# Altium PCB Copy of GameBoard_V1I1_083018.PcbDoc (part 6 of 21)
Units mil, origin at the board's own origin, x right, y up, seen from the top; angles counter-clockwise.
Board outline 7165.35 x 2763.78 mil, 12 copper layers (L1, L2, L3, L4, L5 (PWR), L6 (PWR), L7 (PWR), L8 (PWR), L9, L10, L11, L12), stack 61.575 mil thick; 1542 components, 1068 nets, 5447 pads, 3797 vias.
Unrouted connection lines stored in the file: 105.
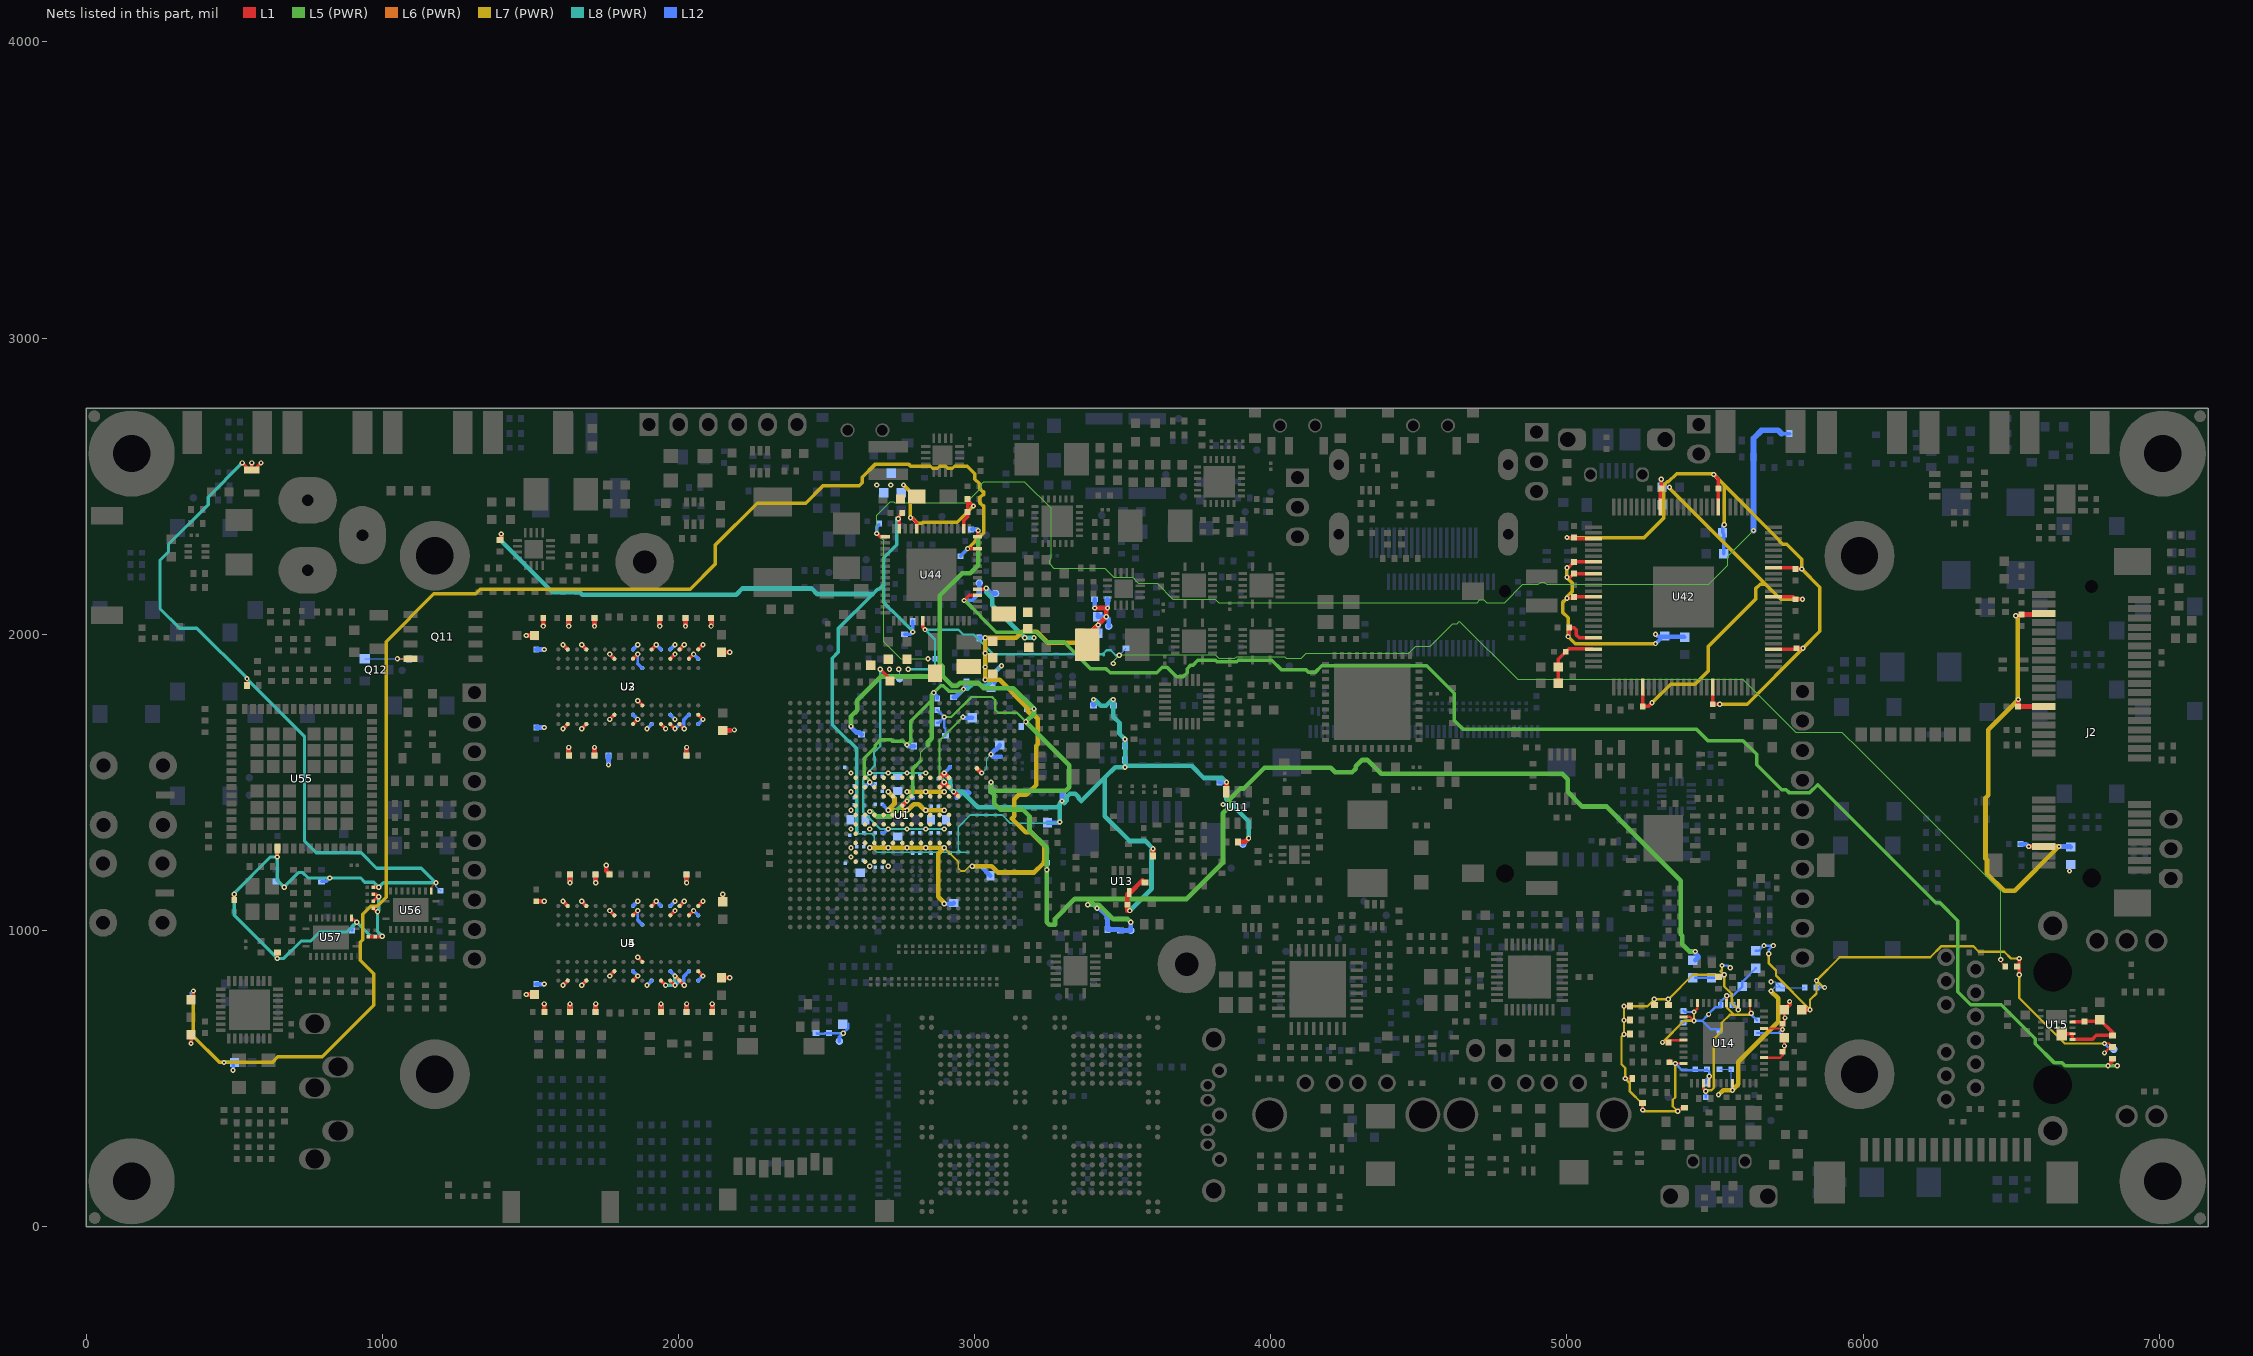
[diagram p16: the nets of this part, all layers, seen from the top]

## Part data (continued)
Y5: "CRYSTAL 12MHZ 12PF SMD", ESR (Equivalent Series Resistance)="100 Ohm", Frequency=12MHz, Frequency Stability=±30ppm, Load Capacitance=12pF, Manufacturer="TXC CORPORATION", Operating Mode=Fundamental, Operating Temperature="-40°C ~ 85°C", Package / Case="4-SMD, No Lead (DFN, LCC)", Ratings=-, Supplier Part Number 1=887-1775-1-ND, .Checked PCB=used, .Checked SCH=used, .Creator=MM, Category="Crystals and Oscillators", ComponentLink1Description=http://www.txccrystal.com/images/pdf/7m.pdf, ComponentLink1URL=http://www.txccrystal.com/images/pdf/7m.pdf, Frequency Tolerance=±30ppm, Height="0.031\" (0.80mm)", Manufacturer Part Number=7M-12.000MAHE-T, Mounting Type="Surface Mount", Packaging="Cut Tape (CT)", Pricing 1="1=0.96, 10=0.847, 50=0.791, 100=0.7, 500=0.6615, 1000=0.553 (USD)", RoHS="RoHS Compliant", Size / Dimension="0.126\" L x 0.098\" W (3.20mm x 2.50mm)", Stock 1=2813, Supplier 1=Digi-Key, Type="MHz Crystal"
Y6: "CRYSTAL 20MHZ 18PF SMD", Frequency Stability=±30ppm, Load Capacitance=18pF, Manufacturer="TXC CORPORATION", Operating Mode=Fundamental, Operating Temperature="-20°C ~ 70°C", Package / Case="4-SMD, No Lead", Ratings=-, Supplier Part Number 1=887-1129-1-ND, .Creator=MB, Category="Crystals, Oscillators, Resonators", ComponentLink1Description=http://www.txccorp.com/download/products/quartz_crystals/2015TXC_7M_17.pdf, ComponentLink1URL=http://www.txccorp.com/download/products/quartz_crystals/2015TXC_7M_17.pdf, Frequency Tolerance=±30ppm, Height - Seated (Max)="0.032\" (0.80mm)", Manufacturer Part Number=7M-20.000MAAJ-T, Mounting Type="Surface Mount", Packaging="Cut Tape (CT)", Part Status=Active, Pricing 1="1=1, 10=0.886, 50=0.8278, 100=0.7315, 500=0.693, 1000=0.5775 (USD)", RoHS="RoHS Compliant", Size / Dimension="0.126\" L x 0.098\" W (3.20mm x 2.50mm)", Stock 1=26185, Supplier 1=Digi-Key, Type="MHz Crystal"
Y7: "Oscillator, 32.768 kHz, 1.8 V, SMD", Frequency_Fixed="32.768 kHz", Frequency Stability=±50ppm, Manufacturer="TXC Corporation", ComponentLink1Description="Datasheet Link", ComponentLink1URL="https://sps06.itg.ti.com/sites/KMS/crossdivteams/altium/docs/ComponentDatasheets/7XZ3270026 TI.pdf", CompType=Oscillator, LatestRevisionDate=2017-06-23, MountType=SMT, PackageReference=3.2x2.5mm, PartNumber=7XZ3270026, Publisher="Texas Instruments", RoHS=Y, SizeArea_mm2=8, SizeAreaWB_mm2=14.7, SizeX_mm=2.5, SizeY_mm=3.2, SizeZ_mm=1.1, SymbolCreator=a0799628, SymbolVersion=2016-1-27, TaMax_C=105, TaMin_C=-40, U/M=EA

## Via types
v1: diameter 17.72, hole 7.87, L1 to L12, 1936 vias
v2: diameter 17.72, hole 7.87, L1 to L12, tented both sides, 999 vias
v3: diameter 10.63, hole 3.94, L1 to L2, 337 vias
v4: diameter 10.63, hole 3.94, L2 to L3, 335 vias
v5: diameter 10.63, hole 3.94, L10 to L11, 96 vias
v6: diameter 10.63, hole 3.94, L11 to L12, 94 vias

## Nets (pads, with @x,y where several pads share a name; then routed paths per layer and width w, separated by ;. In a path a pad name is that pad's centre, name@x,y a point inside that pad or via, vN(x,y) a via of type N, cw(c..) or ccw(c..) an arc to the next point about the centre after c; other vN are vias at no path point)
3V3_AVDD: C378.1 C379.1 C380.1 C381.1 C382.1 FB46.2 U42.82 U42.84 U42.88 U42.95 | length 1198.3
  L1 w11.81: v1(5000,2122.05) 5019.69,2122.05 C380.1@5023.62,2125.98 U42.88@5089.57,2125.98 ; v1(5000,2192.91) 5011.81,2192.91 C378.1@5023.62,2204.72 U42.84@5089.57,2204.72 ; v1(5000,2224.41) 5003.94,2224.41 C379.1@5023.62,2244.09 U42.82@5089.57,2244.09 ; v1(5003.94,1992.13) 5007.87,1996.06 C381.1@5007.87,2022.64 5024.61,2022.64 5032.09,2015.16 5032.09,1997.66 5041.56,1988.19 U42.95@5089.57,1988.19
  L7 (PWR) w11.81: v1(5000,2224.41) v1(5000,2192.91) 5000,2190.94 5018.7,2172.24 5018.7,2145.8 5000,2127.1 v1(5000,2122.05) 4985.24,2107.28 4985.24,2074.93 5003.94,2056.23 v1(5003.94,1992.13) 5027.56,1968.5 v1(5299.21,1968.5)
  L12 w11.81: v1(5299.21,1968.5) 5321.23,1990.52 FB46.2@5397.64,1990.52 5394.07,1994.09 C382.1@5330.71,1994.09 5305.12,1994.09 v1(5299.21,2000)
3V3_DVDD: C368.1 C369.1 C370.1 C371.1 FB44.2 U42.6 U42.38 U42.67 | length 1640.5
  L1 w11.81: U42.6@5255.91,1821.85 5255.91,1756.89 5275.59,1756.89 v2(5287.4,1768.7) ; U42.67@5314.96,2430.12 5314.96,2488.19 C368.1@5318.9,2492.13 v1(5318.9,2523.62) ; U42.38@5697.83,2125.98 5763.78,2125.98 C369.1@5771.65,2118.11 v1(5795.28,2118.11)
  L7 (PWR) w11.81: v2(5287.4,1768.7) 5350.39,1831.69 5432.42,1831.69 5476.38,1875.65 5476.38,1957.68 5636.81,2118.11 5636.81,2153.42 5652.69,2169.29 5670.4,2169.29 ; v1(5346.46,2496.06) 5346.46,2493.24 5670.4,2169.29 ; v1(5795.28,2118.11) 5721.58,2118.11 5670.4,2169.29
  L12 w11.81: v1(5318.9,2523.62) FB44.2@5318.9,2496.06 ; C371.1@5320.87,2437.01 5318.9,2438.98 FB44.2@5318.9,2496.06 ; FB44.2@5320.87,2496.06 FB44.2@5320.87,2494.09 ; v1(5346.46,2496.06) 5322.83,2496.06 FB44.2@5320.87,2494.09 ; FB44.2@5318.9,2496.06 FB44.2@5320.87,2494.09
3V3_OVDD: C372.1 C373.1 C374.1 C375.1 C376.1 C377.1 FB45.2 U42.18 U42.29 U42.43 U42.57 U42.78 | length 2494
  L1 w11.81: v1(5000,2326.77) C376.1@5023.62,2326.77 5027.56,2322.83 U42.78@5089.57,2322.83 ; U42.18@5492.13,1821.85 C375.1@5492.13,1763.78 v1(5515.75,1763.78) ; v1(5496.06,2539.37) 5511.81,2523.62 C373.1@5511.81,2492.13 U42.57@5511.81,2430.12 ; U42.29@5697.83,1948.82 C374.1@5766.73,1948.82 ; U42.43@5697.83,2224.41 5767.72,2224.41 C372.1@5771.65,2220.47 ; C372.1@5769.69,2220.47 C372.1@5771.65,2220.47 ; C374.1@5773.62,1952.76 C374.1@5775.59,1952.76 v2(5797.24,1952.76) ; v2(5793.31,2220.47) C372.1@5771.65,2220.47
  L7 (PWR) w11.81: v1(5000,2326.77) 5260.7,2326.77 5327.76,2393.83 5327.76,2503.81 5338.71,2514.76 5342.65,2514.76 5370.21,2542.32 5493.11,2542.32 v1(5496.06,2539.37) 5531.5,2503.94 ; v1(5515.75,1763.78) 5608.27,1763.78 v2(5797.24,1952.76) 5854.33,2009.84 5854.33,2159.45 v2(5793.31,2220.47) 5793.31,2252.82 5742,2304.13 5728.47,2304.13 5717.52,2315.09 5717.52,2317.91 5531.5,2503.94 ; v1(5531.5,2370.08) 5531.5,2503.94
  L12 w11.81: FB45.2@5529.53,2271.65 5529.53,2338.58 C377.1@5525.59,2342.52 5525.59,2364.17 v1(5531.5,2370.08)
3V3_PVDD: C383.1 C384.1 FB47.2 U42.97 | length 211
  L1 w11.81: FB47.2@4970.47,1834.65 C384.1@4970.47,1889.76 4970.47,1915.35 C383.1@4996.06,1940.94 5006.89,1951.77 U42.97@5085.63,1951.77
5V_IN_CTRL: Q11.4 Q12.2 R506.2 | length 193
  L1 w3.94: v1(1050.98,1917.13) Q11.4@1094.49,1917.13
  L12 w3.94: Q12.2@940.94,1917.32 1050.79,1917.32 v1(1050.98,1917.13) R506.2@1090.35,1917.13
+0V75_DDR_VTT: C450.1 C451.1 C452.1 L14.2 TP35.1 U44.19 | length 322.6
  L1 w11.81: U44.19@3009.84,2151.57 3035.43,2151.57 v2(3039.37,2155.51)
  L8 (PWR) w15.75: v2(3039.37,2155.51) 3039.37,2141.44 3060.04,2120.77 3060.04,2097.44 v2(3169.29,1988.19) v2(3200.79,1988.19)
  L12 w15.75: v2(3039.37,2155.51) 3057.09,2137.8 TP35.1@3070.87,2137.8
+1V1_NVCC_PLL_OUT: C164.1 C165.1 U1.E8 | length 180.4
  L1 w15.75: U1.E8@3007.87,1547.24 v2(3023.62,1531.5)
  L8 (PWR) w3.94: v2(3023.62,1531.5) 3040.35,1548.23 3040.35,1579.72 v1(3055.12,1594.49)
  L12 w15.75: v2(3023.62,1531.5) v2@3025.89,1531.5 ; C165.1@3084.65,1625.98 3084.65,1624.02 v1(3055.12,1594.49) 3062.99,1586.61 C164.1@3087.99,1586.61
+1V1_VDDSOC_CAP: C60.1 C72.1 C125.1 C126.1 C127.1 C128.1 C129.1 C130.1 C131.1 C151.1 FB1.1 R12.1 R22.1 R39.1 U1.N12 U1.R10 U1.T10 U1.T13 U1.T14 U1.U10 U1.U13 U1.U14 | length 1591.7
  L1 w15.75: U1.N12@2755.91,1421.26 v2(2771.65,1437.01)
  L5 (PWR) w3.94: 2817.91,1572.71 2817.91,1601.38 2842.52,1625.98
  L5 (PWR) w11.81: v2(2645.67,1500) 2645.67,1505.05 2626.97,1523.75 2626.97,1580.84 2664.37,1618.24 2664.37,1625 2684.06,1644.69 2716.41,1644.69 2722.31,1638.78 2758.86,1638.78 v2(2771.65,1625.98) 2784.45,1638.78 2784.45,1706.82 2855.32,1777.69 ; v2(2771.65,1437.01) 2771.65,1442.06 2790.35,1460.76 2790.35,1545.15 2817.91,1572.71 ; v1(2862.2,1803.15) 2885.83,1826.77 2894.69,1826.77 2913.39,1808.07 2955.71,1808.07 v2(2962.6,1814.96)
  L5 (PWR) w15.75: v1(2645.67,1401.57) 2651.87,1401.57 2668.6,1384.84 2717.22,1384.84 2769.39,1437.01 v2(2771.65,1437.01) ; 2842.52,1625.98 2842.52,1636.12 2855.32,1648.92 2855.32,1777.69 2855.32,1796.26 v1(2862.2,1803.15)
  L8 (PWR) w11.81: v2(2962.6,1814.96) 2977.49,1814.96 2996.19,1833.66 3011.68,1833.66 3017.59,1827.76 3043.18,1827.76 3054.13,1838.71 3054.13,1857.28 v1(3090.55,1893.7)
  L12 w11.81: C127.1@2625.98,1490.75 2636.42,1490.75 v2(2645.67,1500) 2654.92,1490.75 C130.1@2661.42,1490.75 ; v2(2771.65,1437.01) 2783.46,1448.82 C151.1@2792.72,1448.82 ; v1(2862.2,1803.15) 2874.02,1791.34 C72.1@2874.02,1783.46
  L12 w15.75: v2(2771.65,1625.98) 2775.59,1622.05 R22.1@2795.28,1622.05 ; R39.1@2929.13,1787.4 2935.04,1787.4 v2(2962.6,1814.96) 2972.44,1824.8 R12.1@2972.44,1838.58 ; 3066.93,1838.58 C60.1@3066.93,1866.93 3066.93,1870.08 v1(3090.55,1893.7)
  other v1: 2645.67,1342.52
+1V2_ETH: FB2.2 FB3.1 FB4.1 FB5.1 R117.2 R118.1 TP9.1 | length 1975.7
  L1 w7.87: v1(6814.96,586.61) 6834.65,606.3 R117.2@6842.52,606.3 6830.71,618.11 v1(6814.96,618.11)
  L1 w11.81: v1(6527.56,850.39) 6527.56,870.08 FB2.2@6519.69,877.95 6527.56,885.83 v1(6527.56,905.51)
  L1 w15.75: FB4.1@5793.31,732.28 v1(5820.87,732.28)
  L7 (PWR) w7.87: v1(5681.1,921.26) 5681.1,889.8 5705.71,865.2 5705.71,847.44 v1(5820.87,732.28) 5820.87,765.75 5842.52,787.4 v1(5842.52,830.71) ; v1(5870.08,807.09) 5866.14,807.09 v1(5842.52,830.71) ; v1(6814.96,618.11) 6681.1,618.11 6527.56,771.65 v1(6527.56,850.39) v1(6527.56,905.51) 6499.32,905.51 6476.69,928.15 6390.71,928.15 6371.69,947.17 6264.35,947.17 6226.64,909.45 5921.26,909.45 v1(5842.52,830.71)
  L12 w7.87: FB3.1@5637.8,931.1 5647.64,931.1 v1(5665.35,948.82) v1(5696.85,948.82) 5681.1,933.07 v1(5681.1,921.26) ; v1(5842.52,830.71) FB5.1@5842.52,807.09 v1(5870.08,807.09) ; v1(6814.96,618.11) 6834.65,598.43 TP9.1@6846.46,598.43
+1V2_ETH_AVDDL: C201.1 C202.1 C203.1 C204.1 FB4.2 U14.4 U14.9 | length 417
  L1 w7.87: U14.4@5664.96,570.47 5720.08,570.47 5728.35,578.74 C203.1@5728.35,590.55 5734.25,596.46 v1(5734.25,610.24) C201.1@5734.25,637.8 5727.95,644.09 v1(5727.95,665.35) v1@5727.95,668.9 ; U14.9@5664.96,668.9 v1@5727.95,668.9 ; FB4.2@5734.25,732.28 5734.25,690.94 C204.1@5728.35,685.04 5728.35,669.29 v1@5727.95,668.9
  L1 w15.75: FB4.2@5734.25,732.28 5751.97,750 v1(5751.97,759.84)
  L12 w7.87: C202.1@5641.73,653.54 5716.14,653.54 v1(5727.95,665.35)
  other v1: 5736.22,704.72
+1V2_ETH_AVDDL_PLL: C205.1 C206.1 C207.1 FB5.2 U14.44 | length 757.6
  L1 w9.84: v1(5559.06,460.63) U14.44@5559.06,484.25
  L7 (PWR) w15.75: v1(5511.81,444.88) 5527.56,460.63 v1(5559.06,460.63) 5578.74,480.32 5578.74,557.09 5713.58,691.93 5713.58,770.67 v1(5688.98,795.28)
  L12 w3.94: C206.1@5515.75,531.5 C207.1@5555.12,531.5 5555.12,464.57 v1(5559.06,460.63) ; v1(5688.98,795.28) 5702.76,809.06 C205.1@5720.47,809.06 ; v1(5688.98,826.77) 5702.76,826.77 C205.1@5720.47,809.06 ; FB5.2@5803.15,807.09 5722.44,807.09 C205.1@5720.47,809.06
+1V2_ETH_DVDDL: C193.1 C194.1 C195.1 C196.1 C197.1 C198.1 C199.1 C200.1 FB3.2 U14.14 U14.18 U14.23 U14.26 U14.30 U14.39 | length 1360.4
  L1 w7.87: v1(5322.83,622.05) 5330.71,622.05 5338.58,629.92 5338.98,629.53 U14.30@5394.09,629.53 ; U14.26@5394.09,708.27 5415.75,708.27 v1(5429.13,694.88) ; v1(5429.13,724.41) 5440.95,736.22 U14.23@5440.95,755.12 ; U14.39@5460.63,484.25 5460.63,464.57 v1@5464.57,460.63 ; U14.18@5539.37,755.12 v1@5539.37,775.59 ; U14.14@5618.11,755.12 5618.11,724.41 v1(5622.05,720.47)
  L7 (PWR) w7.87: v1(5322.83,622.05) 5395.67,694.88 v1(5429.13,694.88) v1(5429.13,724.41) ; v1@5464.57,460.63 5488.19,460.63 5496.06,468.5 5496.06,633.86 5522.64,660.43 5522.64,688.03 5550.16,715.55 5563.98,715.55 ; v1(5539.37,779.53) 5539.37,740.16 5563.98,715.55 ; v1(5622.05,720.47) 5617.13,715.55 5563.98,715.55
  L12 w7.87: C198.1@5393.7,728.35 5397.64,724.41 v1(5429.13,724.41) ; C199.1@5394.09,688.58 5400.39,694.88 v1(5429.13,694.88) 5456.69,694.88 ; C195.1@5468.5,437.01 v1(5468.5,456.69) ; C194.1@5523.62,661.42 5523.62,666.34 5485.24,666.34 5456.69,694.88 ; v1(5622.05,720.47) 5622.05,716.54 C196.1@5641.73,696.85 ; FB3.2@5637.8,872.05 5592.52,826.77 C193.1@5592.52,811.02 5561.02,779.53 v1(5539.37,779.53) 5519.69,759.84 C197.1@5519.69,748.03 5511.81,740.16 5500,740.16 5478.35,718.5 v1(5478.35,716.54) 5456.69,694.88
+1V2_PMIC: C419.1 R118.2 TP27.1 U44.18 | length 5063.7
  L1 w11.81: v2(2964.57,2114.17) 2982.28,2131.89 U44.18@3009.84,2131.89 ; v1(6826.77,543.31) 6842.52,559.06 R118.2@6842.52,566.93
  L5 (PWR) w11.81: v2(2964.57,2114.17) 2967.39,2114.17 3020.67,2060.9 3020.67,2059.18 3072.96,2006.89 3208.53,2006.89 3242,1973.43 3302.17,1973.43 3392.72,1882.87 3444.75,1882.87 3457.55,1870.08 3615.29,1870.08 3633.99,1888.78 3649.48,1888.78 3680.97,1857.28 3704.6,1857.28 3717.52,1870.21 3717.52,1883.73 3728.47,1894.68 3736.09,1894.68 3753.81,1912.4 3813.8,1912.4 3819.7,1906.5 3883.99,1906.5 3889.89,1912.4 4003.81,1912.4 4035.31,1880.91 4117.98,1880.91 4127.82,1871.06 4149.48,1871.06 4172.12,1893.7 4526.45,1893.7 4619.09,1801.05 4619.09,1708.79 4647.77,1680.12 5436.88,1680.12 5476.25,1640.75 5594.36,1640.75 5640.75,1594.36 5640.75,1560.04 5725.39,1475.39 5740.03,1475.39 5749.68,1465.75 5820.27,1465.75 5846.65,1492.13 6245.27,1093.5 6259.71,1093.5 6319.88,1033.34 6319.88,793.1 6363.85,749.13 6466.29,749.13 6581.69,633.73 6581.69,617.13 6644.72,554.09 6671.02,554.09 6681.81,543.31 v1(6826.77,543.31) v1(6858.27,543.31)
  L12 w11.81: v2(2964.57,2114.17) 2992.13,2114.17 C419.1@3015.75,2137.8
  L12 w15.75: C419.1@3015.75,2137.8 TP27.1@3015.75,2173.23
+1V2_REG: C191.1 C192.1 R117.1 U15.7 U15.8 U15.10 U15.15 | length 363.5
  L1 w11.81: U15.15@6671.26,652.36 6672.05,651.57 U15.8@6707.09,651.57 U15.7@6707.09,631.89 6773.62,631.89 6787.4,645.67 R117.1@6842.52,645.67 6842.52,655.51 C191.1@6799.21,698.82 6793.31,692.91 C192.1@6748.03,692.91 6746.06,690.94 U15.10@6707.09,690.94
+1V2_VDD_ARM_CAP: C110.1 C111.1 C112.1 C113.1 C114.1 C120.1 C121.1 C122.1 C123.1 C124.1 U1.H11 U1.H13 U1.J11 U1.J13 U1.K11 U1.K13 U1.L11 U1.L13 U1.M11 U1.M13 U1.N11 U1.N13 U1.P11 U1.P13 U1.R11 U1.R13 | length 465.1
  L7 (PWR) w15.75: v2(2708.66,1468.5) 2729.33,1447.83 2729.33,1428.45 2708.66,1407.78 v2(2708.66,1405.51) v2(2771.65,1405.51) 2773.92,1405.51 2794.59,1426.18 2811.71,1426.18 2832.38,1405.51 v2(2834.65,1405.51) v2(2897.64,1405.51) ; v2(2771.65,1468.5) v2(2834.65,1468.5) v2(2897.64,1468.5)
  L12 w11.81: C112.1@2692.91,1422.64 2692.91,1421.26 v2(2708.66,1405.51) ; v2(2771.65,1405.51) 2791.34,1425.2 C113.1@2792.72,1425.2
+1V5_DDR: C10.1 C11.1 C12.1 C13.1 C14.1 C15.1 C16.1 C17.1 C19.1 C20.1 C21.1 C22.1 C23.1 C24.1 C25.1 C26.1 C27.1 C28.1 C29.1 C30.1 C31.1 C32.1 C33.1 C34.1 C35.1 C36.1 C37.1 C38.1 C39.1 C40.1 C41.1 C42.1 C43.1 C44.1 C45.1 C46.1 C47.1 C48.1 C49.1 C50.1 C51.1 C52.1 C53.1 C54.1 C55.1 C56.1 C57.1 C58.1 C171.1 C172.1 C173.1 C174.1 C175.1 C176.1 C180.1 C181.1 C182.1 C183.1 C184.1 C185.1 C186.1 C425.1 C426.1 C443.1 C444.1 C445.1 C446.1 FB9.2 FB17.1 L12.2 R8.2 R90.2 TP33.1 U1.R18 U1.T18 U1.U18 U1.V9 U1.V10 U1.V11 U1.V12 U1.V13 U1.V14 U1.V15 U1.V16 U1.V17 U1.V18 U2.A1 U2.A8 U2.B2 U2.C1 U2.C9 U2.D2 U2.D9 U2.E9 U2.F1 U2.G7 U2.H2 U2.H9 U2.K2 U2.K8 U2.N1 U2.N9 U2.R1 U2.R9 U3.A1 U3.A8 U3.B2 U3.C1 U3.C9 U3.D2 U3.D9 U3.E9 U3.F1 U3.G7 U3.H2 U3.H9 U3.K2 U3.K8 U3.N1 U3.N9 U3.R1 U3.R9 U4.A1 U4.A8 U4.B2 U4.C1 U4.C9 U4.D2 U4.D9 U4.E9 U4.F1 U4.G7 U4.H2 U4.H9 U4.K2 U4.K8 U4.N1 U4.N9 U4.R1 U4.R9 U5.A1 U5.A8 U5.B2 U5.C1 U5.C9 U5.D2 U5.D9 U5.E9 U5.F1 U5.G7 U5.H2 U5.H9 U5.K2 U5.K8 U5.N1 U5.N9 U5.R1 U5.R9 U44.30 U44.38 | length 3879.3
  L1 w11.81: v1(354.33,618.11) FB17.1@354.33,645.67 ; v2(1610.24,814.96) U4.R9@1625.98,830.71 ; v2(1610.24,1098.43) U4.R1@1625.98,1082.68 ; v2(1610.24,1681.1) U2.R9@1625.98,1696.85 ; v2(1610.24,1964.57) U2.R1@1625.98,1948.82 ; v2(1673.23,814.96) U4.N9@1688.98,830.71 ; v2(1673.23,1098.43) U4.N1@1688.98,1082.68 ; v2(1673.23,1681.1) U2.N9@1688.98,1696.85 ; v2(1673.23,1964.57) U2.N1@1688.98,1948.82 ; v2(1767.72,846.46) U4.K8@1783.46,862.2 ; v2(1767.72,1066.93) U4.K2@1783.46,1051.18 ; v2(1767.72,1712.6) U2.K8@1783.46,1728.35 ; v2(1767.72,1933.07) U2.K2@1783.46,1917.32 ; U4.H9@1846.46,830.71 v2(1862.2,846.46) ; U4.H2@1846.46,1051.18 v2(1862.2,1066.93) ; U2.H9@1846.46,1696.85 v2(1862.2,1712.6) ; U2.H2@1846.46,1917.32 v2(1862.2,1933.07) ; v2(1862.2,909.45) U4.G7@1877.95,893.7 ; v2(1862.2,1775.59) U2.G7@1877.95,1759.84 ; U4.F1@1909.45,1082.68 v2(1925.2,1098.43) ; U2.F1@1909.45,1948.82 v2(1925.2,1964.57) ; U4.E9@1940.94,830.71 v2(1956.69,814.96) ; U2.E9@1940.94,1696.85 v2(1956.69,1681.1) ; U4.D9@1972.44,830.71 v2(1988.19,814.96) ; U4.D2@1972.44,1051.18 v2(1988.19,1066.93) ; U2.D9@1972.44,1696.85 v2(1988.19,1681.1) ; U2.D2@1972.44,1917.32 v2(1988.19,1933.07) ; U4.C9@2003.94,830.71 v2(2019.68,814.96) ; U4.C1@2003.94,1082.68 v2(2019.68,1098.43) ; U2.C9@2003.94,1696.85 v2(2019.68,1681.1) ; U2.C1@2003.94,1948.82 v2(2019.68,1964.57) ; U4.B2@2035.43,1051.18 v2(2051.18,1066.93) ; U2.B2@2035.43,1917.32 v2(2051.18,1933.07) ; U4.A8@2066.93,862.2 v2(2082.68,846.46) ; U4.A1@2066.93,1082.68 v2(2082.68,1098.43) ; U2.A8@2066.93,1728.35 v2(2082.68,1712.6) ; U2.A1@2066.93,1948.82 v2(2082.68,1964.57) ; v2(2783.46,2393.7) 2788.51,2393.7 2805.12,2377.1 U44.38@2805.12,2356.3 ; U44.30@2962.6,2356.3 2962.6,2383.86 2976.38,2397.64 C425.1@2976.38,2456.69 2976.38,2452.76 v1(2996.06,2433.07)
  L1 w15.75: v2(1486.22,783.46) C15.1@1513.78,783.46 ; v2(1486.22,1996.06) C12.1@1513.78,1996.06 ; C39.1@1519.69,1098.43 v2(1547.24,1098.43) ; v2(1543.31,2027.56) C32.1@1543.31,2055.12 ; C22.1@1547.24,724.41 v2(1547.24,751.97) ; C30.1@1629.92,1590.55 v2(1629.92,1618.11) ; v2(1629.92,2027.56) C33.1@1629.92,2055.12 ; C27.1@1633.86,724.41 v2(1633.86,751.97) ; v2(1633.86,1161.42) C26.1@1633.86,1188.98 ; C31.1@1716.54,1590.55 v2(1716.54,1618.11) ; v2(1716.54,2027.56) C34.1@1716.54,2055.12 ; C28.1@1720.47,724.41 v2(1720.47,751.97) ; v2(1720.47,1161.42) C19.1@1720.47,1188.98 ; v2(1755.91,1220.47) 1755.91,1200.79 C20.1@1767.72,1188.98 ; v2(1937.01,2027.56) C38.1@1937.01,2055.12 ; C25.1@1940.95,724.41 v2(1940.95,751.97) ; v2(2023.62,2027.56) C37.1@2023.62,2055.12 ; C24.1@2027.56,724.41 v2(2027.56,751.97) ; v2(2027.56,1161.42) C21.1@2027.56,1188.98 ; C29.1@2027.56,1590.55 v2(2027.56,1618.11) ; v2(2110.24,2027.56) C36.1@2110.24,2055.12 ; C23.1@2114.17,724.41 v2(2114.17,751.97) ; C16.1@2145.67,840.55 v2(2173.23,840.55) ; C13.1@2145.67,1938.98 v2(2173.23,1938.98) ; C17.1@2149.61,1096.46 v2(2149.61,1122.05) ; C14.1@2149.61,1675.2 2177.17,1675.2
  L6 (PWR) w11.81: v2(1988.19,846.46) v2(2019.68,814.96)
  L7 (PWR) w11.81: v1(2759.84,2503.94) 2783.46,2480.31 v2(2783.46,2393.7) 2788.51,2393.7 2807.21,2375 2822.71,2375 2825.66,2377.95 2940.94,2377.95 v1(2996.06,2433.07)
  L8 (PWR) w11.81: v2(1956.69,814.96) v2(1988.19,814.96) v2(1988.19,846.46)
  L12 w7.87: 1862.2,1035.43 v2(1862.2,1066.93) ; v2(1862.2,1933.07) 1862.2,1901.57 1863.19,1900.59 ; R8.2@2467.52,652.56 2468.5,651.57 2492.13,651.57 2493.11,652.56 v2(2556.1,652.56) 2573.82,670.28 2573.82,686.02
  L12 w11.81: v2(1610.24,814.96) U5.R1@1625.98,830.71 ; v2(1610.24,1098.43) U5.R9@1625.98,1082.68 ; v2(1610.24,1681.1) U3.R1@1625.98,1696.85 ; v2(1610.24,1964.57) U3.R9@1625.98,1948.82 ; v2(1673.23,814.96) U5.N1@1688.98,830.71 ; v2(1673.23,1098.43) U5.N9@1688.98,1082.68 ; v2(1673.23,1681.1) U3.N1@1688.98,1696.85 ; v2(1673.23,1964.57) U3.N9@1688.98,1948.82 ; v2(1767.72,846.46) U5.K2@1783.46,862.2 ; v2(1767.72,1066.93) U5.K8@1783.46,1051.18 ; v2@1767.72,1712.6 U3.K2@1783.46,1728.35 ; v2(1767.72,1933.07) U3.K8@1783.46,1917.32 ; U5.H2@1846.46,862.2 v2(1862.2,846.46) ; U5.H9@1846.46,1082.68 v2(1862.2,1098.43) ; U3.H2@1846.46,1728.35 v2(1862.2,1712.6) ; U3.H9@1846.46,1948.82 v2(1862.2,1964.57) ; 1862.2,1035.43 U5.G7@1877.95,1019.69 ; 1863.19,1900.59 U3.G7@1877.95,1885.83 ; v2(1893.7,814.96) U5.F1@1909.45,830.71 ; v2(1893.7,1681.1) U3.F1@1909.45,1696.85 ; v2(1925.2,1098.43) U5.E9@1940.94,1082.68 ; v2(1925.2,1964.57) U3.E9@1940.94,1948.82 ; U5.D2@1972.44,862.2 v2(1988.19,846.46) ; U5.D9@1972.44,1082.68 v2(1988.19,1098.43) ; U3.D2@1972.44,1728.35 v2(1988.19,1712.6) ; U3.D9@1972.44,1948.82 v2(1988.19,1964.57) ; v2(1988.19,814.96) U5.C1@2003.94,830.71 ; v2(1988.19,1681.1) U3.C1@2003.94,1696.85 ; U5.C9@2003.94,1082.68 v2(2019.68,1098.43) ; U3.C9@2003.94,1948.82 v2(2019.68,1964.57) ; v2@2018.7,815.94 2018.7,845.47 U5.B2@2035.43,862.2 ; v2@2018.7,1682.09 2018.7,1711.61 U3.B2@2035.43,1728.35 ; v2(2051.18,1066.93) U5.A8@2066.93,1051.18 ; v2(2051.18,1933.07) U3.A8@2066.93,1917.32 ; U5.A1@2066.93,830.71 v2(2082.68,846.46) ; U3.A1@2066.93,1696.85 v2(2082.68,1712.6) ; TP33.1@2543.31,625.98 2543.31,639.76 v2(2556.1,652.56) ; v1(3838.58,1425.2) R90.2@3866.14,1425.2
  L12 w15.75: C40.1@1519.69,818.9 v2(1547.24,818.9) ; C49.1@1519.69,1685.04 v2(1547.24,1685.04) ; C35.1@1519.69,1948.82 v2(1547.24,1948.82) ; C58.1@1629.92,1590.55 v2(1629.92,1618.11) ; v2(1629.92,2027.56) C50.1@1629.92,2055.12 ; C48.1@1633.86,724.41 v2(1633.86,751.97) ; v2(1633.86,1161.42) C41.1@1633.86,1188.98 ; C57.1@1716.54,1590.55 v2(1716.54,1618.11) ; v2(1716.54,2027.56) C51.1@1716.54,2055.12 ; C47.1@1720.47,724.41 v2(1720.47,751.97) ; v2(1720.47,1161.42) C42.1@1720.47,1188.98 ; v2@1763.78,1562.99 C55.1@1763.78,1590.55 ; v2(1937.01,2027.56) C52.1@1937.01,2055.12 ; C46.1@1940.95,724.41 v2(1940.95,751.97) ; v2(2023.62,2027.56) C53.1@2023.62,2055.12 ; C45.1@2027.56,724.41 v2(2027.56,751.97) ; v2(2027.56,1161.42) C43.1@2027.56,1188.98 ; C56.1@2027.56,1590.55 v2(2027.56,1618.11) ; v2(2110.24,2027.56) C54.1@2110.24,2055.12 ; C44.1@2114.17,724.41 v2(2114.17,751.97)
  other v1: 6696.85,1200.79 2669.29,2503.94 2716.54,2503.94
  other v2: 2645.67,1216.53 2708.66,1216.54 2582.68,1248.03 2582.68,1279.53 2582.68,1342.52 2582.68,1405.51 2582.68,1468.5 2582.68,1531.5 1763.78,1559.06 2188.98,1677.17
+1V5_MPCIE: C226.1 C227.1 C228.1 C229.1 FB9.1 J2.6 J2.28 J2.48 | length 1707.3
  L1 w15.75: v1(6515.75,2062.99) 6531.5,2062.99 C228.1@6535.43,2066.93 6606.3,2066.93 J2.48@6610.24,2070.87 ; v1(6523.62,1779.53) C227.1@6523.62,1755.91 J2.28@6610.24,1755.91 ; v1(6559.06,1283.46) J2.6@6610.24,1283.46
  L7 (PWR) w15.75: v1(6515.75,2062.99) 6522.64,2056.1 6522.64,1780.51 v1(6523.62,1779.53) 6422.24,1678.15 6422.24,1456.01 6413.39,1447.15 6413.39,1242.81 6418.31,1237.89 6418.31,1191.93 6476.38,1133.86 6511.81,1133.86 v1(6661.42,1283.46) v1(6559.06,1283.46)
  L12 w15.75: C226.1@6531.5,1291.34 6551.18,1291.34 v1(6559.06,1283.46) ; C229.1@6637.8,1283.46 6698.82,1283.46 FB9.1@6700.79,1281.5
+1V8_AUDIO: C421.1 FB16.2 FB18.2 TP28.1 U44.26 | length 4990.7
  L1 w11.81: FB18.2@355.32,765.75 FB18.2@354.33,765.75 350.39,769.69 362.2,781.5 v1(362.2,795.28) ; v2(2976.38,2289.37) U44.26@3009.84,2289.37
  L7 (PWR) w11.81: v1(362.2,795.28) 362.2,642.84 450.76,554.29 v1(465.47,554.29) 628,554.29 646.7,572.99 797.4,572.99 971.46,747.05 971.46,854.2 926.18,899.48 926.18,960.5 934.06,968.38 934.06,1054.99 960.76,1081.69 982.16,1081.69 1012.8,1112.33 1012.8,1975.39 1174.21,2136.81 1315.09,2136.81 1330.84,2152.56 2039.74,2152.56 2125,2237.82 2125,2302.17 2265.75,2442.91 2429.99,2442.91 2488.06,2500.98 2610.11,2500.98 2621.06,2511.94 2621.06,2530.51 2665.35,2574.8 2776.7,2574.8 2783.59,2567.91 2850.52,2567.91 2858.4,2560.04 2873.89,2560.04 2881.76,2567.91 2901.7,2567.91 2909.58,2560.04 2925.07,2560.04 2932.94,2567.91 2975.39,2567.91 3000.98,2542.32 3000.98,2523.75 3016.86,2507.87 3016.73,2507.75 3016.73,2492.25 3027.69,2481.3 3030.51,2481.3 3030.51,2471.46 3027.69,2471.46 3016.73,2460.5 3016.73,2445.01 3027.69,2434.06 3030.51,2434.06 3030.51,2342.65 3019.56,2331.69 3018.7,2331.69 v2(2976.38,2289.37)
  L12 w11.81: TP28.1@354.33,767.72 354.33,787.4 v1(362.2,795.28) ; v1(465.47,554.29) FB16.2@500.91,554.29 496.06,549.45 v1(496.06,527.56) ; C421.1@2952.76,2263.78 2952.76,2265.75 v2(2976.38,2289.37)
+1V8_WIFI: C527.2 C530.1 C532.1 FB52.2 R43.2 R507.2 R524.2 R539.2 R541.2 R542.2 R543.2 R545.2 R555.2 R556.2 R558.2 U55.38 U56.2 U57.2 | length 4382.9
  L1 w3.94: R524.2@543.31,1826.77 v1(543.31,1850.39) ; U56.2@1165.35,1133.86 1165.35,1145.67 v1(1181.1,1161.42)
  L1 w7.87: U57.2@895.67,1041.34 899.61,1041.34 v1(913.39,1027.56)
  L1 w11.02: FB52.2@500,1102.36 v1(500,1122.05) ; v1(527.56,2578.74) 551.18,2555.12 R507.2@559.06,2555.12 ; v1(559.06,2578.74) R507.2@559.06,2555.12 ; v1(590.55,2578.74) 566.93,2555.12 R507.2@559.06,2555.12 ; v1(645.67,905.51) R558.2@645.67,925.2 ; v1(645.67,1248.03) U55.38@645.67,1263.39 ; U55.38@645.67,1276.57 U55.38@650.59,1271.65 ; R43.2@952.76,979.13 R539.2@976.38,979.13 998.82,979.13 v1(1000,980.31) ; R541.2@969.69,1074.8 981.5,1062.99 v1(984.25,1062.99) ; R542.2@969.69,1098.43 985.43,1114.17 977.56,1122.05 R543.2@969.69,1122.05 ; R545.2@969.69,1145.67 v1(988.19,1145.67)
  L8 (PWR) w11.02: v1(527.56,2578.74) 412.01,2463.19 412.01,2437.3 278.15,2303.44 278.15,2279.33 249.41,2250.59 249.41,2086.91 315.92,2020.39 374.3,2020.39 543.31,1851.38 v1(543.31,1850.39) 543.31,1848.13 737.6,1653.83 737.6,1301.47 776.67,1262.4 928.45,1262.4 980.52,1210.33 1132.19,1210.33 v1(1181.1,1161.42) 1003.94,1161.42 v1(988.19,1145.67) 971.06,1162.8 941.24,1162.8 926.87,1177.17 v1(822.83,1177.17) 750.3,1177.17 731.99,1195.47 716.83,1195.47 669.29,1147.94 v1(669.29,1145.67) 645.67,1169.29 v1(645.67,1248.03) 622.05,1248.03 500,1125.98 v1(500,1122.05) 500,1051.18 v1(645.67,905.51) 667.02,905.51 725.49,963.98 757.58,963.98 788.29,994.69 880.51,994.69 v1(913.39,1027.56) 960.63,980.31 v1(1000,980.31) 984.25,996.06 v1(984.25,1062.99) 988.19,1066.93 v1(988.19,1114.17)
  L12 w3.94: v1(1181.1,1161.42) 1181.1,1149.61 C530.1@1196.85,1133.86
  L12 w11.02: v1(645.67,1248.03) C527.2@645.67,1279.53 ; R555.2@649.61,1165.35 v1(669.29,1145.67) ; R556.2@795.28,1165.35 811.02,1165.35 v1(822.83,1177.17) ; C532.1@897.64,1000 897.64,1011.81 v1(913.39,1027.56)
+1V375_CORE: C103.1 C104.1 C105.1 C106.1 C107.1 C108.1 C109.1 C115.1 C116.1 C117.1 C118.1 C119.1 C439.1 C440.1 C441.1 C442.1 FB2.1 L11.2 R299.2 TP32.1 U1.H14 U1.J14 U1.K9 U1.K14 U1.L9 U1.L14 U1.M9 U1.M14 U1.N9 U1.N14 U1.P9 U1.P14 U1.R9 U1.R14 U1.T9 U1.U9 U44.6 | length 5860.1
  L1 w3.94: v1(6464.57,901.57) 6464.57,893.7 FB2.1@6480.31,877.95
  L1 w11.81: v2(2681.1,1881.89) 2714.57,1848.42 C442.1@2714.57,1842.52 ; U44.6@2824.8,2045.28 2824.8,2023.62 v2(2832.68,2015.75)
  L5 (PWR) w3.94: v1(3468.5,1901.57) 3468.5,1909.45 v1(3488.19,1929.13) 3490.16,1931.1 3733.06,1931.1 3734.04,1930.12 3812.78,1930.12 3824.59,1918.31 3879.09,1918.31 3885,1924.21 4047.03,1924.21 4052.94,1918.31 4102.15,1918.31 4119.87,1936.02 4466.33,1936.02 4489.95,1959.65 4538.39,1959.65 4614.38,2035.64 4628.94,2035.64 4637.2,2043.9 4833.66,1847.44 5594.15,1847.44 5771.91,1669.69 5928.73,1669.69 5987.19,1611.22 ; 5987.2,1611.22 6464.57,1133.86 v1(6464.57,901.57)
  L8 (PWR) w3.94: v1(3468.5,1901.57) 3468.5,1909.45 v1(3488.19,1929.13)
  L8 (PWR) w7.87: v2(2681.1,1881.89) 2681.1,1850.35 2681.1,1622.09 2660.43,1601.42 2660.43,1586.66 2662.4,1584.69 2662.4,1556.06 2645.67,1539.33 v2(2645.67,1531.5) ; v2(2775.59,1881.89) 2851.38,1881.89 2866.14,1896.65 2866.14,1982.28 v2(2832.68,2015.75) 2944.84,2015.75 2961.57,1999.02 2997.05,1999.02 3063.98,1932.09 3433.07,1932.09 3436.02,1929.13 3436.02,1936.06 3445.83,1945.87 3459.69,1945.87 3476.42,1929.13 v1(3488.19,1929.13) ; v2(2834.65,1531.5) v2(2771.65,1531.5) v2(2708.66,1531.5) v2(2645.67,1531.5) ; v2(2897.64,1342.52) v2(2834.65,1342.52) v2(2771.65,1342.52) v2(2708.66,1342.52) 2681.1,1342.52 2624.02,1399.61 2624.02,1509.84 v2(2645.67,1531.5)
  L12 w3.94: v2(2744.09,1881.89) 2746.68,1879.31 TP32.1@2746.68,1850.39 ; v1(3488.19,1929.13) R299.2@3511.81,1952.76
  L12 w11.81: C103.1@2688.98,1329.33 2695.47,1329.33 v2(2708.66,1342.52)
  other v2: 2712.6,1881.89
+1V375_SOC: C132.1 C133.1 C134.1 C135.1 C136.1 C137.1 C138.1 C139.1 C140.1 C141.1 C142.1 C339.1 C340.1 C341.2 C447.1 C448.1 C449.1 L6.2 L13.1 R296.2 R431.1 TP34.1 U1.H16 U1.J16 U1.K16 U1.L16 U1.M16 U1.N16 U1.P16 U1.R16 U1.T16 U1.U16 | length 2756.9
  L1 w15.75: L6.2@3356.79,1964.57 3356.79,1970.96 v2(3417.32,2031.5) v2(3444.88,2059.06) 3444.88,2084.65 v2(3448.82,2088.58) v2(3405.51,2088.58)
  L7 (PWR) w5.91: v2(2897.64,1279.53) 2944.88,1232.28 2944.88,1210.01 2954.11,1200.79 2967.15,1200.79 2982.9,1216.54 v2(2992.13,1216.54)
  L7 (PWR) w15.75: v2(2645.67,1279.53) v2(2708.66,1279.53) v2(2771.65,1279.53) v2(2834.65,1279.53) v2(2897.64,1279.53) 2876.97,1258.86 2876.97,1113.49 2897.64,1092.82 v2(2897.64,1090.55) ; v2(2992.13,1216.54) 3057.38,1216.54 3078.05,1195.87 3201.48,1195.87 3233.27,1227.66 3233.27,1233.77 3235.09,1235.59 3235.09,1286.27 3189.66,1331.69 3172.24,1331.69 3125.98,1377.95 3133.86,1385.83 3133.86,1442.62 3148.92,1457.68 3174.21,1457.68 3207.68,1491.14 3207.68,1623.33 3213.58,1629.23 3213.58,1714.57 3200.79,1727.36 3192.23,1727.36 3180.12,1739.47 3180.12,1750.69 3084.35,1846.46 v2(3035.43,1846.46) v2(3035.43,1889.76) v2(3035.43,1988.19) 3140.06,1988.19 3160.73,2008.86 3209.35,2008.86 3246.75,1971.46 3357.28,1971.46 v2(3417.32,2031.5)
  L12 w15.75: v2(2897.64,1090.55) 2927.17,1090.55 C141.1@2929.13,1092.52 ; v2(2992.13,1216.54) 3021.65,1216.54 C142.1@3053.15,1185.04 ; R431.1@3015.75,1988.19 v2(3035.43,1988.19) ; v2(3405.51,2088.58) R296.2@3405.51,2118.11 ; C339.1@3415.35,2003.94 3417.32,2005.91 v2(3417.32,2031.5) ; C340.1@3415.35,2059.06 v2(3444.88,2059.06) 3452.76,2051.18 TP34.1@3452.76,2027.56 ; v2(3448.82,2088.58) C341.2@3448.82,2118.11
  other v2: 3035.43,1936.02
+2V5: C63.1 C75.1 C92.1 C169.1 C422.1 FB6.1 R13.1 R27.1 R32.1 R40.1 R114.2 R115.2 R116.2 TP29.1 U44.28 | length 6655.9
  L1 w11.81: U44.28@3009.84,2328.74 3009.84,2348.42 v2(3011.81,2350.39)
  L5 (PWR) w7.87: v1(2897.64,1720.47) 2921.3,1720.47 2989.21,1788.39 3059.03,1788.39 3069.88,1777.53 3069.88,1745.04 3079.68,1735.24 3142.72,1735.24 v1(3173.23,1704.72)
  L5 (PWR) w15.75: v1(2582.68,1688.98) 2582.68,1722.74 2603.35,1743.41 2603.35,1776.57 2684.4,1857.63 2892.67,1857.63 ; v2(3011.81,2350.39) 3011.81,2232.58 2984.94,2205.71 2957.68,2205.71 2882.87,2130.91 2882.87,1900.93 2892.67,1891.14 2892.67,1857.63 ; v2(3055.12,1500) 3055.12,1468.5 ; v1(3381.89,1086.61) 3401.57,1086.61 ; v1(3527.56,1027.56) 3516.73,1038.39 3467.82,1038.39 3419.59,1086.61 3401.57,1086.61 ; v1(5433.07,929.13) 5413.39,929.13 5389.76,952.76 5389.76,981.6 5384.84,986.52 5384.84,1168.01 5134.55,1418.31 5052.46,1418.31 5002.95,1467.82 5002.95,1510.53 4984.94,1528.54 4372.73,1528.54 4325.49,1575.79 4308.37,1575.79 4286.42,1553.84 4286.42,1546.56 4274.31,1534.45 4217.1,1534.45 4202.55,1549 3978.82,1549 3909.15,1479.33 3896.65,1479.33 3859.25,1441.93 3859.25,1416.64 3838.54,1395.93 3838.54,1228.31 3716.54,1106.3 3381.89,1106.3 ; 2892.67,1857.63 2924.51,1825.79 2941.63,1825.79 2951.47,1835.63 3012.5,1835.63 3030.22,1817.91 3130.91,1817.91 v1(3200.79,1748.03) 3200.79,1732.28 v1(3173.23,1704.72) 3319.88,1558.07 3319.88,1483.56 3307.77,1471.46 3058.07,1471.46 3055.12,1468.5 ; 3055.12,1468.5 3065.95,1457.68 3065.95,1428.45 3086.07,1408.32 3162.55,1408.32 3185.38,1385.49 3185.38,1338.92 3244.09,1280.2 v1(3244.09,1204.72) 3244.09,1027.56 3251.97,1019.68 3271.65,1019.68 3271.65,1039.37 3338.58,1106.3 3381.89,1106.3 ; 3381.89,1106.3 3401.57,1086.61
  L12 w7.87: R27.1@2874.02,1700.79 2877.95,1700.79 v1(2897.64,1720.47) ; C75.1@2874.02,1744.09 v1(2897.64,1720.47) ; R114.2@2901.57,1657.48 2901.57,1681.66 2897.64,1685.6 v1(2897.64,1720.47) ; C63.1@3177.17,1748.03 v1(3200.79,1748.03) ; v1(3244.09,1204.72) C92.1@3244.09,1228.35
  L12 w15.75: v1(2582.68,1688.98) 2582.68,1686.71 2601.08,1668.31 2611.22,1668.31 R32.1@2618.11,1661.42 ; C422.1@2992.13,2354.33 3007.87,2354.33 v2(3011.81,2350.39) ; R40.1@3055.12,1472.44 v2(3055.12,1500) ; v1(3381.89,1086.61) 3401.57,1086.61 v1(3413.39,1074.8) 3421.26,1074.8 C169.1@3448.82,1047.24 R115.2@3448.82,1002.95 3489.17,1002.95 R116.2@3492.13,1000 TP29.1@3527.56,1000 v1(3527.56,1027.56) ; FB6.1@5433.07,899.61 5444.88,911.42 5433.07,923.23 v1(5433.07,929.13)
+2V5_ETH_DVDDH: C208.1 C209.1 C210.1 C211.1 C212.1 FB6.2 R128.2 R129.2 R130.2 R131.2 R132.2 R133.2 R134.2 R135.2 R136.2 R137.2 U14.16 U14.34 U14.40 | length 1897
  L1 w7.87: v1(5192.91,649.61) R132.2@5212.6,649.61 ; v1(5192.91,696.85) R137.2@5212.6,696.85 ; v1(5192.91,744.09) R136.2@5212.6,744.09 ; v1(5196.85,500) R128.2@5220.47,500 ; v1(5255.91,393.7) R129.2@5255.91,417.32 ; R135.2@5295.28,748.03 v1(5295.28,767.72) ; R134.2@5342.52,748.03 v1(5342.52,767.72) ; C209.1@5346.46,562.99 5358.66,550.79 v1(5366.14,550.79) U14.34@5394.09,550.79 ; v1(5374.02,389.76) 5385.83,401.57 R130.2@5397.64,401.57 ; U14.40@5480.32,484.25 v1(5480.31,507.87) ; v1(5578.74,732.28) U14.16@5578.74,755.12
  L7 (PWR) w7.87: v1(5366.14,550.79) 5366.14,437.05 5357.28,428.19 5357.28,406.5 v1(5374.02,389.76) 5259.84,389.76 v1(5255.91,393.7) 5255.91,413.34 5211.61,457.64 5211.61,485.24 v1(5196.85,500) 5196.85,535.39 5184.06,548.19 5184.06,640.75 v1(5192.91,649.61) v1(5192.91,696.85) v1(5192.91,744.09) 5271.65,744.09 v1(5295.28,767.72) v1(5342.52,767.72) 5425.2,850.39 v1(5531.5,850.39) ; v1(5523.62,881.89) 5523.62,866.14 5519.69,862.2 v1(5531.5,850.39) ; v1(5578.74,732.28) 5556.1,754.92 5556.1,786.46 5531.5,811.06 v1(5531.5,850.39)
  L12 w7.87: v1(5366.14,550.79) 5389.37,527.56 C212.1@5472.44,527.56 ; FB6.2@5433.07,840.55 5492.13,840.55 5521.65,840.55 v1(5531.5,850.39) 5519.69,862.2 5523.62,866.14 v1(5523.62,881.89) 5543.31,881.89 v1(5551.18,874.02) ; R131.2@5468.5,484.25 5468.5,496.06 v1(5480.31,507.87) 5480.31,523.62 C212.1@5472.44,531.5 ; C210.1@5559.06,740.16 5559.06,755.91 5578.74,736.22 v1(5578.74,732.28)
+2V5_VDDHIGH_VPH: C152.1 C153.1 C154.1 U1.H10 U1.J10 | length 388.4
  L1 w15.75: U1.J10@2881.89,1484.25 v2(2897.64,1500) U1.H10@2913.39,1484.25
  L5 (PWR) w5.91: v2(2897.64,1500) 2897.64,1509.23 2881.89,1524.97 2881.89,1641.73 v2(2960.63,1720.47)
  L12 w5.91: C153.1@2876.58,1511.81 2885.83,1511.81 v2(2897.64,1500) 2909.45,1488.19 C152.1@2918.7,1488.19
  L12 w15.75: v2(2960.63,1720.47) 2962.6,1718.5 C154.1@2992.13,1718.5
+3V0_ALWAYS: C99.1 C102.1 C149.1 C150.1 C155.1 C427.1 R66.2 R68.2 R69.2 R80.2 R81.2 R82.2 R89.2 R91.2 R97.2 R313.1 R436.2 R437.2 TP31.1 U1.G11 U1.H9 U1.J9 U11.6 U13.5 U44.41 | length 6795.1
  L1 w11.81: U44.41@2746.06,2356.3 2746.06,2385.83 v2(2742.13,2389.76) 2738.19,2393.7 2740.16,2393.7 C427.1@2755.91,2409.45
  L1 w15.75: R313.1@1397.64,2318.9 1401.57,2322.83 v1(1401.57,2338.58) ; U1.J9@2881.89,1515.75 v2(2897.64,1531.5) U1.H9@2913.39,1515.75 ; v2(2929.13,1468.5) U1.G11@2944.88,1452.76 ; v1(3523.62,1066.93) 3515.75,1066.93 C102.1@3515.75,1086.61 3515.75,1122.05 U13.5@3521.65,1127.95 3525.59,1127.95 R89.2@3566.93,1169.29 ; R97.2@3602.36,1251.97 v1(3602.36,1275.59) ; U11.6@3850.39,1468.5 v1(3850.39,1500) ; R91.2@3889.76,1299.21 3913.39,1299.21 v1(3925.2,1311.02)
  L8 (PWR) w5.91: 2601.38,1327.76 2602.36,1326.77 2652.19,1326.77 2661.42,1317.55 2661.42,1273 2670.64,1263.78 2715.18,1263.78 2979.32,1263.78 2954.11,1263.78 2944.88,1273.01 2944.88,1349.04 2985.6,1389.76 3093.14,1389.76 3120.7,1362.21 3283.47,1362.21 v1(3287.4,1366.14)
  L8 (PWR) w11.81: 2601.38,1327.76 2601.38,1615.16 2577.76,1638.78 2574.93,1638.78 2519.01,1694.7 2519.01,1919.47 2540.35,1940.82 2540.35,2020.67 2655.51,2135.83 2672.24,2152.56 2677.04,2152.56 2692.91,2168.44 ; v2@2738.19,2393.7 2737.2,2392.72 2737.2,2302.17 2692.91,2257.87 2692.91,2168.44 ; v1(2791.34,2007.87) 2791.34,2010.87 2722.49,2079.72 2720.6,2079.72 2692.91,2107.41 2692.91,2168.44
  L8 (PWR) w15.75: v1(1401.57,2338.58) 1401.57,2314.96 1573.82,2142.72 1666.04,2142.72 1674.9,2133.86 2195.18,2133.86 2215.85,2154.53 2449.51,2154.53 2468.21,2135.83 2655.51,2135.83 ; v2(2897.64,1531.5) 2897.64,1529.23 2918.31,1508.56 2918.31,1479.33 v2(2929.13,1468.5) 2958.37,1468.5 3010.53,1416.34 3278.54,1416.34 3287.4,1425.2 ; v1(3287.4,1366.14) 3287.4,1425.2 ; v2(3295.28,1437.01) 3287.4,1429.13 3287.4,1425.2 ; 3302.31,1429.97 3310.04,1437.7 3310.04,1449.51 3322.15,1461.61 3339.27,1461.61 3351.38,1449.51 3351.38,1445.57 3359.94,1437.01 3360.53,1437.01 3439.96,1516.44 ; v1(3401.57,1779.53) 3405.81,1779.53 3426.48,1758.86 3443.6,1758.86 3464.27,1779.53 v1(3468.5,1779.53) 3468.5,1722.14 3489.17,1701.47 3489.17,1664.37 v1(3507.87,1645.67) 3508.86,1644.68 v1@3508.86,1552.17 ; v1(3523.62,1066.93) 3597.44,1140.75 3597.44,1270.67 v1(3602.36,1275.59) 3575.79,1302.17 3522.93,1302.17 3439.96,1385.14 3439.96,1516.44 ; v1(3925.2,1311.02) 3925.2,1367.81 3850.39,1442.62 v1(3850.39,1500) 3835.63,1514.76 3774.31,1514.76 3732.97,1556.1 3512.8,1556.1 v1@3508.86,1552.17 ; 3439.96,1516.44 3474.71,1551.18 v1(3507.87,1551.18) v1@3508.86,1552.17
  L12 w11.81: R436.2@2763.78,2000 2783.46,2000 v1(2791.34,2007.87) R437.2@2791.34,2043.31 ; v2(2897.64,1531.5) 2917.32,1551.18 C149.1@2917.32,1552.56
  L12 w15.75: v2(2929.13,1468.5) 2960.63,1468.5 ; C155.1@2939.57,1448.82 2940.95,1448.82 2960.63,1468.5 ; R80.2@2981.69,1464.57 2977.76,1468.5 2960.63,1468.5 ; C150.1@3246.06,1363.23 3284.49,1363.23 v1(3287.4,1366.14) ; v2(3295.28,1437.01) 3295.28,1460.63 R66.2@3299.21,1464.57 ; R69.2@3401.57,1759.84 v1(3401.57,1779.53) ; R68.2@3468.5,1759.84 v1(3468.5,1779.53) ; R81.2@3507.87,1574.8 3508.86,1575.79 3508.86,1622.05 R82.2@3507.87,1622.05 v1(3507.87,1645.67) ; C99.1@3826.77,1500 v1(3850.39,1500) ; TP31.1@3905.51,1291.34 v1(3925.2,1311.02)
+3V0_VSNVS: C430.1 R426.2 R433.2 R434.2 U44.43 | length 4587
  L1 w11.81: v2(2669.29,2340.55) 2681.1,2328.74 U44.43@2698.82,2328.74
  L5 (PWR) w3.94: v2(2669.29,2340.55) 2669.29,2402.77 2714.36,2447.83 2726.59,2447.83 2729.54,2444.88 2972.44,2444.88 3020.67,2493.11 3020.67,2506.12 3030.3,2515.75 3168.1,2515.75 3258.86,2424.99 3258.86,2256.12 3252.95,2250.21 3252.95,2237.98 3267.51,2223.43 3439.19,2223.43 3470.68,2191.93 3533.67,2191.93 3553.36,2172.24 3616.35,2172.24 3669.5,2119.09 3812.78,2119.09 3824.59,2107.28 4696.64,2107.28 4706.48,2117.13 4718.71,2117.13 4728.56,2107.28 4790.54,2107.28 4851.56,2168.31 4903.33,2168.31 4911.21,2176.18 4923.44,2176.18 4931.31,2168.31 5479.33,2168.31 5543.62,2232.59 5543.62,2264.09 v1(5629.92,2350.39) ; v2@2674.21,2335.63 2692.91,2316.93 2692.91,1974.41 2750,1917.32 v1(2842.52,1917.32)
  L12 w3.94: v1(2842.52,1917.32) R434.2@2870.08,1917.32
  L12 w11.81: v2(2669.29,2340.55) 2669.29,2362.2 C430.1@2677.17,2370.08 ; 5724.41,2677.17 R426.2@5751.97,2677.17
  L12 w19.68: v1(5629.92,2350.39) R433.2@5629.92,2598.43 5629.92,2661.42 5657.48,2688.98 5712.6,2688.98 5724.41,2677.17